# Allegro board 038NC-GRIFFI-V9A_16_20260429.brd (continued)
## Placement (name value [footprint] x y rotation side) (continued)
NOREF#1176  -  []  41.02 336.66 0 top
NOREF#1177  -  []  163.01 240.57 90 top
NOREF#1178  -  []  83.93 249.87 0 top
NOREF#1179  -  []  89.39 209.51 0 top
NOREF#1180  -  []  19.67 170.1 90 top
NOREF#1181  -  []  199.67 242.27 90 top
NOREF#1182  -  []  16.47 173.3 0 top
NOREF#1183  -  []  82.73 114.89 90 top
NOREF#1184  -  []  149.42 18.69 0 top
NOREF#1185  -  []  20.74 275.74 0 top
NOREF#1186  -  []  179.29 207.51 45 top
NOREF#1187  -  []  250.89 283.29 90 top
NOREF#1188  -  []  132.78 117.35 90 top
NOREF#1189  -  []  150.33 266.14 90 top
NOREF#1190  -  []  42.06 185.73 90 top
NOREF#1191  -  []  239.38 209.51 0 top
NOREF#1192  -  []  196.47 335.86 0 top
NOREF#1193  -  []  207.13 301.68 90 top
NOREF#1194  -  []  181.39 304.88 90 top
NOREF#1195  -  []  19.67 330.46 90 top
NOREF#1196  -  []  90.18 265.86 90 top
NOREF#1197  -  []  180.18 265.47 90 top
NOREF#1198  -  []  183.41 174.1 0 top
NOREF#1199  -  []  87.79 269.51 0 top
NOREF#1200  -  []  68.86 249.87 0 top
NOREF#1201  -  []  224.98 193.49 90 top
NOREF#1202  -  []  165.92 284.14 90 top
NOREF#1203  -  []  136.47 301.68 90 top
NOREF#1204  -  []  102.06 170.1 90 top
NOREF#1205  -  []  44.99 221.49 90 top
NOREF#1206  -  []  117.13 183.53 90 top
NOREF#1207  -  []  258.36 164.05 90 top
NOREF#1208  -  []  195.06 209.26 90 top
NOREF#1209  -  []  154.59 284.94 90 top
NOREF#1210  -  []  93.41 174.1 0 top
NOREF#1211  -  []  14.22 225.18 0 top
NOREF#1212  -  []  94.59 284.94 90 top
NOREF#1213  -  []  23.93 225.98 90 top
NOREF#1214  -  []  44.99 283.99 0 top
NOREF#1215  -  []  227.03 389.27 90 top
NOREF#1216  -  []  55.97 179.68 90 top
NOREF#1217  -  []  214.59 228.18 90 top
NOREF#1218  -  []  150.33 206.14 90 top
NOREF#1219  -  []  150.84 164.9 90 top
NOREF#1220  -  []  195.06 269.26 90 top
NOREF#1221  -  []  199.94 300.88 0 top
NOREF#1222  -  []  109.67 183.53 90 top
NOREF#1223  -  []  211.39 165.7 90 top
NOREF#1224  -  []  17.99 278.49 0 top
NOREF#1225  -  []  105.36 120.65 0 top
NOREF#1226  -  []  23.93 249.87 0 top
NOREF#1227  -  []  203.38 284.14 90 top
NOREF#1228  -  []  63.43 164.05 90 top
NOREF#1229  -  []  247.36 333.84 90 top
NOREF#1230  -  []  147.13 244.47 90 top
NOREF#1231  -  []  238.35 207.84 315 top
NOREF#1232  -  []  164.98 250.99 90 top
NOREF#1233  -  []  59.02 107.19 90 top
NOREF#1234  -  []  136.47 229.18 90 top
NOREF#1235  -  []  94.59 246.67 90 top
NOREF#1236  -  []  109.67 165.7 90 top
NOREF#1237  -  []  44.99 221.49 90 top
NOREF#1238  -  []  68.86 301.68 0 top
NOREF#1239  -  []  162.06 289.34 90 top
NOREF#1240  -  []  154.59 289.34 90 top
NOREF#1241  -  []  164.56 396.29 0 top
NOREF#1242  -  []  168.48 174.1 0 top
NOREF#1243  -  []  121.39 301.68 90 top
NOREF#1244  -  []  53.93 249.87 0 top
NOREF#1245  -  []  248.86 301.68 0 top
NOREF#1246  -  []  170.73 215.74 0 top
NOREF#1247  -  []  79.67 170.1 90 top
NOREF#1248  -  []  184.59 246.67 90 top
NOREF#1249  -  []  120.18 205.86 90 top
NOREF#1250  -  []  125.02 284.14 0 top
NOREF#1251  -  []  14.99 193.49 90 top
NOREF#1252  -  []  14.99 253.49 90 top
NOREF#1253  -  []  168.48 189.73 0 top
NOREF#1254  -  []  228.48 310.08 0 top
NOREF#1255  -  []  91.47 105.11 90 top
NOREF#1256  -  []  31.36 110.11 0 top
NOREF#1257  -  []  90.34 266.14 90 top
NOREF#1258  -  []  117.36 268.69 0 top
NOREF#1259  -  []  184.59 181.33 90 top
NOREF#1260  -  []  243.41 174.1 0 top
NOREF#1261  -  []  211.39 307.08 90 top
NOREF#1262  -  []  78.36 240.62 90 top
NOREF#1263  -  []  147.63 208.84 0 top
NOREF#1264  -  []  241.01 206.29 90 top
NOREF#1265  -  []  188.86 301.68 90 top
NOREF#1266  -  []  119.39 209.51 0 top
NOREF#1267  -  []  169.67 167.9 90 top
NOREF#1268  -  []  79.67 183.53 90 top
NOREF#1269  -  []  112.99 188.49 0 top
NOREF#1270  -  []  106.47 335.86 0 top
NOREF#1271  -  []  31.01 206.29 90 top
NOREF#1272  -  []  117.79 269.51 0 top
NOREF#1273  -  []  19.78 456.29 0 top
NOREF#1274  -  []  98.86 292.54 0 top
NOREF#1275  -  []  196.47 307.08 90 top
NOREF#1276  -  []  57.13 244.47 90 top
NOREF#1277  -  []  194.3 17.15 90 top
NOREF#1278  -  []  61.4 188.93 0 top
NOREF#1279  -  []  162.06 170.1 90 top
NOREF#1280  -  []  49.67 244.47 90 top
NOREF#1281  -  []  226.47 304.88 90 top
NOREF#1282  -  []  228.36 283.29 90 top
NOREF#1283  -  []  237.13 242.27 90 top
NOREF#1284  -  []  14.99 190.99 90 top
NOREF#1285  -  []  117.41 138.32 0 top
NOREF#1286  -  []  38.86 249.87 0 top
NOREF#1287  -  []  45.92 225.18 90 top
NOREF#1288  -  []  173.93 290.34 90 top
NOREF#1289  -  []  139.67 242.27 90 top
NOREF#1290  -  []  214.59 181.33 90 top
NOREF#1291  -  []  248.86 142.32 90 top
NOREF#1292  -  []  213.43 240.62 90 top
NOREF#1293  -  []  147.13 167.9 90 top
NOREF#1294  -  []  138.36 224.33 90 top
NOREF#1295  -  []  104.99 223.99 0 top
NOREF#1296  -  []  27.36 208.69 0 top
NOREF#1297  -  []  109.67 185.73 90 top
NOREF#1298  -  []  121.39 188.93 0 top
NOREF#1299  -  []  166.47 284.94 0 top
NOREF#1300  -  []  37.46 300.03 0 top
NOREF#1301  -  []  74.51 203.06 90 top
NOREF#1302  -  []  78.48 310.08 0 top
NOREF#1303  -  []  16.47 290.34 90 top
NOREF#1304  -  []  16.47 288.14 90 top
NOREF#1305  -  []  166.47 335.86 0 top
NOREF#1306  -  []  46.47 301.68 90 top
NOREF#1307  -  []  116.3 456.29 0 top
NOREF#1308  -  []  31.36 120.65 0 top
NOREF#1309  -  []  64.59 185.73 90 top
NOREF#1310  -  []  106.38 389.27 90 top
NOREF#1311  -  []  30.34 266.14 90 top
NOREF#1312  -  []  252.06 185.73 90 top
NOREF#1313  -  []  117.13 185.73 90 top
NOREF#1314  -  []  172.98 226.49 0 top
NOREF#1315  -  []  208.35 207.84 315 top
NOREF#1316  -  []  80.74 215.74 0 top
NOREF#1317  -  []  94.59 287.14 90 top
NOREF#1318  -  []  243.43 300.03 90 top
NOREF#1319  -  []  229.67 181.33 90 top
NOREF#1320  -  []  44.99 281.49 90 top
NOREF#1321  -  []  100.89 283.29 90 top
NOREF#1322  -  []  226.47 284.94 90 top
NOREF#1323  -  []  210.18 265.86 90 top
NOREF#1324  -  []  87.13 306.08 90 top
NOREF#1325  -  []  20.74 215.74 0 top
NOREF#1326  -  []  57.82 105.89 0 top
NOREF#1327  -  []  138.18 452.29 90 top
NOREF#1328  -  []  100.89 240.62 90 top
NOREF#1329  -  []  214.59 242.27 90 top
NOREF#1330  -  []  128.39 193.49 45 top
NOREF#1331  -  []  75.06 263.86 0 top
NOREF#1332  -  []  115.97 326.61 90 top
NOREF#1333  -  []  98.86 144.52 90 top
NOREF#1334  -  []  222.48 225.18 0 top
NOREF#1335  -  []  46.47 301.68 0 top
NOREF#1336  -  []  74.99 283.99 0 top
NOREF#1337  -  []  119.29 267.51 45 top
NOREF#1338  -  []  172.46 106.41 0 top
NOREF#1339  -  []  49.67 165.7 90 top
NOREF#1340  -  []  115.7 258.99 90 top
NOREF#1341  -  []  43.88 106.81 90 top
NOREF#1342  -  []  98.86 304.88 90 top
NOREF#1343  -  []  227.98 278.49 0 top
NOREF#1344  -  []  77.21 143.34 90 top
NOREF#1345  -  []  19.67 332.66 90 top
NOREF#1346  -  []  145.94 293.34 0 top
NOREF#1347  -  []  175.94 234.38 0 top
NOREF#1348  -  []  53.93 284.94 90 top
NOREF#1349  -  []  200.73 215.74 0 top
NOREF#1350  -  []  98.86 307.08 90 top
NOREF#1351  -  []  218.39 193.49 45 top
NOREF#1352  -  []  71.02 174.1 0 top
NOREF#1353  -  []  165.06 203.86 0 top
NOREF#1354  -  []  70.76 109.19 90 top
NOREF#1355  -  []  117.64 268.84 0 top
NOREF#1356  -  []  233.93 188.93 0 top
NOREF#1357  -  []  197.98 278.49 0 top
NOREF#1358  -  []  181.01 266.29 90 top
NOREF#1359  -  []  224.51 203.06 90 top
NOREF#1360  -  []  162.06 242.27 90 top
NOREF#1361  -  []  199.67 332.66 90 top
NOREF#1362  -  []  222.48 284.14 0 top
NOREF#1363  -  []  68.86 301.68 90 top
NOREF#1364  -  []  184.59 289.34 90 top
NOREF#1365  -  []  55.7 198.99 90 top
NOREF#1366  -  []  18.48 189.73 0 top
NOREF#1367  -  []  15.06 269.26 90 top
NOREF#1368  -  []  38.86 307.08 90 top
NOREF#1369  -  []  138.36 240.62 90 top
NOREF#1370  -  []  31.4 168.9 90 top
NOREF#1371  -  []  70.89 224.33 90 top
NOREF#1372  -  []  181.39 292.54 0 top
NOREF#1373  -  []  207.13 242.27 90 top
NOREF#1374  -  []  197.21 143.34 90 top
NOREF#1375  -  []  13.66 262.21 90 top
NOREF#1376  -  []  42.06 242.27 90 top
NOREF#1377  -  []  164.51 263.06 90 top
NOREF#1378  -  []  28.65 266.87 45 top
NOREF#1379  -  []  194.98 250.99 90 top
NOREF#1380  -  []  78.48 174.1 0 top
NOREF#1381  -  []  93.43 164.05 90 top
NOREF#1382  -  []  181.39 165.7 0 top
NOREF#1383  -  []  60.67 176.51 90 top
NOREF#1384  -  []  134.98 193.49 90 top
NOREF#1385  -  []  173.93 231.38 90 top
NOREF#1386  -  []  190.89 239.1 90 top
NOREF#1387  -  []  38.86 144.52 90 top
NOREF#1388  -  []  229.67 242.27 90 top
NOREF#1389  -  []  15.06 203.86 0 top
NOREF#1390  -  []  177.79 209.51 0 top
NOREF#1391  -  []  72.06 225.98 90 top
NOREF#1392  -  []  90.67 176.51 90 top
NOREF#1393  -  []  139.67 183.53 90 top
NOREF#1394  -  []  76.47 335.86 0 top
NOREF#1395  -  []  134.98 223.99 0 top
NOREF#1396  -  []  120.18 205.47 90 top
NOREF#1397  -  []  162.06 230.38 90 top
NOREF#1398  -  []  95.02 300.88 0 top
NOREF#1399  -  []  179.32 208.11 315 top
NOREF#1400  -  []  151.39 307.08 90 top
NOREF#1401  -  []  117.13 170.1 90 top
NOREF#1402  -  []  142.98 248.49 90 top
NOREF#1403  -  []  196.47 290.34 90 top
NOREF#1404  -  []  211.01 266.69 90 top
NOREF#1405  -  []  72.06 244.47 90 top
NOREF#1406  -  []  203.38 225.18 90 top
NOREF#1407  -  []  132.06 225.98 90 top
NOREF#1408  -  []  104.84 117.35 90 top
NOREF#1409  -  []  242.56 17.15 0 top
NOREF#1410  -  []  236.96 268.69 0 top
NOREF#1411  -  []  60.19 265.86 90 top
NOREF#1412  -  []  52.99 188.49 90 top
NOREF#1413  -  []  137.98 218.49 0 top
NOREF#1414  -  []  45.06 263.86 0 top
NOREF#1415  -  []  173.66 106.41 90 top
NOREF#1416  -  []  222.06 185.73 90 top
NOREF#1417  -  []  149.29 267.51 45 top
NOREF#1418  -  []  61.16 295.41 90 top
NOREF#1419  -  []  169.67 330.46 90 top
NOREF#1420  -  []  105.06 269.26 90 top
NOREF#1421  -  []  139.67 170.1 90 top
NOREF#1422  -  []  235.7 198.99 90 top
NOREF#1423  -  []  128.86 301.68 90 top
NOREF#1424  -  []  90.65 236.45 90 top
NOREF#1425  -  []  244.59 242.27 90 top
NOREF#1426  -  []  94.59 181.33 90 top
NOREF#1427  -  []  154.59 228.18 90 top
NOREF#1428  -  []  226.47 231.38 90 top
NOREF#1429  -  []  173.56 456.29 0 top
NOREF#1430  -  []  233.38 225.18 90 top
NOREF#1431  -  []  158.86 139.12 0 top
NOREF#1432  -  []  106.47 173.3 0 top
NOREF#1433  -  []  65.02 300.88 0 top
NOREF#1434  -  []  110.48 210.77 0 top
NOREF#1435  -  []  15.06 209.26 90 top
NOREF#1436  -  []  229.67 328.26 90 top
NOREF#1437  -  []  113.93 231.38 90 top
NOREF#1438  -  []  63.41 174.1 0 top
NOREF#1439  -  []  241.01 266.29 90 top
NOREF#1440  -  []  83.93 188.93 0 top
NOREF#1441  -  []  166.47 225.98 90 top
NOREF#1442  -  []  158.39 193.49 45 top
NOREF#1443  -  []  26.96 268.69 0 top
NOREF#1444  -  []  179.38 209.51 0 top
NOREF#1445  -  []  248.86 233.58 0 top
NOREF#1446  -  []  49.67 332.66 90 top
NOREF#1447  -  []  237.13 244.47 90 top
NOREF#1448  -  []  232.98 188.49 0 top
NOREF#1449  -  []  79.67 328.26 90 top
NOREF#1450  -  []  87.64 268.84 0 top
NOREF#1451  -  []  221.02 189.73 0 top
NOREF#1452  -  []  28.78 456.29 0 top
NOREF#1453  -  []  98.78 82.65 0 top
NOREF#1454  -  []  192.06 170.1 90 top
NOREF#1455  -  []  29.39 209.51 0 top
NOREF#1456  -  []  132.48 284.14 0 top
NOREF#1457  -  []  16.47 307.08 90 top
NOREF#1458  -  []  127.54 18.69 90 top
NOREF#1459  -  []  87.13 246.67 90 top
NOREF#1460  -  []  46.47 188.93 0 top
NOREF#1461  -  []  173.38 225.18 90 top
NOREF#1462  -  []  150.18 265.86 90 top
NOREF#1463  -  []  218.43 17.15 90 top
NOREF#1464  -  []  98.86 173.3 0 top
NOREF#1465  -  []  61.4 168.9 90 top
NOREF#1466  -  []  197.98 218.49 0 top
NOREF#1467  -  []  241.01 206.69 90 top
NOREF#1468  -  []  131.4 296.54 90 top
NOREF#1469  -  []  244.59 246.67 90 top
NOREF#1470  -  []  41.4 297.17 90 top
NOREF#1471  -  []  31.01 206.69 90 top
NOREF#1472  -  []  121.39 249.87 0 top
NOREF#1473  -  []  154.59 185.73 90 top
NOREF#1474  -  []  98.66 177.76 90 top
NOREF#1475  -  []  128.86 144.52 90 top
NOREF#1476  -  []  87.13 167.9 90 top
NOREF#1477  -  []  44.99 223.99 0 top
NOREF#1478  -  []  211.39 233.58 0 top
NOREF#1479  -  []  15.06 263.86 90 top
NOREF#1480  -  []  203.93 249.87 0 top
NOREF#1481  -  []  57.64 208.84 0 top
NOREF#1482  -  []  166.47 301.68 0 top
NOREF#1483  -  []  15.06 267.06 90 top
NOREF#1484  -  []  102.48 284.14 0 top
NOREF#1485  -  []  109.67 244.47 90 top
NOREF#1486  -  []  57.13 303.88 90 top
NOREF#1487  -  []  136.47 173.3 0 top
NOREF#1488  -  []  161.02 174.1 0 top
NOREF#1489  -  []  83.93 225.98 0 top
NOREF#1490  -  []  115.97 164.05 90 top
NOREF#1491  -  []  49.67 185.73 90 top
NOREF#1492  -  []  190.89 224.33 90 top
NOREF#1493  -  []  206.96 268.69 0 top
NOREF#1494  -  []  251.16 389.27 90 top
NOREF#1495  -  []  173.93 225.98 0 top
NOREF#1496  -  []  149.29 207.51 45 top
NOREF#1497  -  []  63.43 179.68 90 top
NOREF#1498  -  []  133.3 120.65 0 top
NOREF#1499  -  []  87.13 301.68 90 top
NOREF#1500  -  []  191.4 296.54 90 top
NOREF#1501  -  []  211.39 292.54 0 top
NOREF#1502  -  []  34.6 289.34 90 top
NOREF#1503  -  []  183.82 83.81 0 top
NOREF#1504  -  []  130.89 224.33 90 top
NOREF#1505  -  []  33.61 203.06 0 top
NOREF#1506  -  []  225.06 263.86 90 top
NOREF#1507  -  []  131.02 174.1 0 top
NOREF#1508  -  []  93.61 203.06 0 top
NOREF#1509  -  []  236.96 208.69 0 top
NOREF#1510  -  []  91.4 249.87 0 top
NOREF#1511  -  []  115.7 198.99 90 top
NOREF#1512  -  []  49.67 246.67 90 top
NOREF#1513  -  []  194.3 17.15 0 top
NOREF#1514  -  []  108.48 310.08 0 top
NOREF#1515  -  []  78.48 189.73 0 top
NOREF#1516  -  []  124.59 289.34 90 top
NOREF#1517  -  []  113.93 309.28 0 top
NOREF#1518  -  []  100.9 237.58 90 top
NOREF#1519  -  []  147.13 306.08 90 top
NOREF#1520  -  []  46.47 288.14 90 top
NOREF#1521  -  []  237.13 306.08 90 top
NOREF#1522  -  []  211.39 249.87 0 top
NOREF#1523  -  []  26.68 239.46 0 top
NOREF#1524  -  []  58.12 107.52 0 top
NOREF#1525  -  []  31.96 297.11 0 top
NOREF#1526  -  []  134.98 281.49 90 top
NOREF#1527  -  []  87.36 208.69 0 top
NOREF#1528  -  []  146.04 17.15 0 top
NOREF#1529  -  []  168.36 283.29 90 top
NOREF#1530  -  []  177.13 167.9 90 top
NOREF#1531  -  []  34.6 183.53 90 top
NOREF#1532  -  []  164.19 105.45 0 top
NOREF#1533  -  []  128.86 292.54 0 top
NOREF#1534  -  []  70.76 113.63 0 top
NOREF#1535  -  []  199.67 244.47 90 top
NOREF#1536  -  []  122.91 82.65 0 top
NOREF#1537  -  []  248.19 18.69 90 top
NOREF#1538  -  []  45.92 284.14 90 top
NOREF#1539  -  []  75.06 203.86 90 top
NOREF#1540  -  []  135.06 209.26 90 top
NOREF#1541  -  []  175.64 103.13 90 top
NOREF#1542  -  []  44.51 203.06 90 top
NOREF#1543  -  []  68.86 139.12 90 top
NOREF#1544  -  []  28.35 267.84 45 top
NOREF#1545  -  []  101.02 174.1 0 top
NOREF#1546  -  []  190.78 112.83 90 top
NOREF#1547  -  []  124.59 287.14 90 top
NOREF#1548  -  []  199.67 246.67 90 top
NOREF#1549  -  []  143.93 229.18 90 top
NOREF#1550  -  []  128.86 139.12 0 top
NOREF#1551  -  []  108.48 189.73 0 top
NOREF#1552  -  []  53.93 290.34 90 top
NOREF#1553  -  []  199.94 454.29 90 top
NOREF#1554  -  []  146.04 17.15 90 top
NOREF#1555  -  []  183.41 189.73 0 top
NOREF#1556  -  []  120.18 265.86 90 top
NOREF#1557  -  []  252.06 183.53 90 top
NOREF#1558  -  []  61.4 301.68 90 top
NOREF#1559  -  []  121.39 168.9 90 top
NOREF#1560  -  []  30 294.19 0 top
NOREF#1561  -  []  72.06 183.53 90 top
NOREF#1562  -  []  68.86 292.54 0 top
NOREF#1563  -  []  188.31 300.88 90 top
NOREF#1564  -  []  233.93 290.34 90 top
NOREF#1565  -  []  99.47 115.65 0 top
NOREF#1566  -  []  91.01 266.69 90 top
NOREF#1567  -  []  44.51 263.06 90 top
NOREF#1568  -  []  42.06 165.7 90 top
NOREF#1569  -  []  94.59 228.18 90 top
NOREF#1570  -  []  42.48 225.18 0 top
NOREF#1571  -  []  211.01 206.69 90 top
NOREF#1572  -  []  158.86 307.08 90 top
NOREF#1573  -  []  11.02 189.73 0 top
NOREF#1574  -  []  107.99 256.49 90 top
NOREF#1575  -  []  83.93 284.94 0 top
NOREF#1576  -  []  145.97 164.05 90 top
NOREF#1577  -  []  251.4 296.54 90 top
NOREF#1578  -  []  207.13 306.08 90 top
NOREF#1579  -  []  235.97 179.68 90 top
NOREF#1580  -  []  169.67 246.67 90 top
NOREF#1581  -  []  185.02 225.18 0 top
NOREF#1582  -  []  63.18 16.49 0 top
NOREF#1583  -  []  105.92 225.18 90 top
NOREF#1584  -  []  27.13 165.7 90 top
NOREF#1585  -  []  176.96 268.69 0 top
NOREF#1586  -  []  153.41 293.34 0 top
NOREF#1587  -  []  26.39 82.65 0 top
NOREF#1588  -  []  241.39 188.93 0 top
NOREF#1589  -  []  203.93 309.28 0 top
NOREF#1590  -  []  102.06 244.47 90 top
NOREF#1591  -  []  166.47 188.93 0 top
NOREF#1592  -  []  61.01 206.29 90 top
NOREF#1593  -  []  199.67 328.26 90 top
NOREF#1594  -  []  79.67 181.33 90 top
NOREF#1595  -  []  71.82 117.35 0 top
NOREF#1596  -  []  208.37 207.15 315 top
NOREF#1597  -  []  177.13 242.27 90 top
NOREF#1598  -  []  34.6 230.38 90 top
NOREF#1599  -  []  243.41 293.34 0 top
NOREF#1600  -  []  89.29 207.51 45 top
NOREF#1601  -  []  87.3 16.49 0 top
NOREF#1602  -  []  128.86 188.93 0 top
NOREF#1603  -  []  101.02 336.66 0 top
NOREF#1604  -  []  192.06 185.73 90 top
NOREF#1605  -  []  57.13 167.9 90 top
NOREF#1606  -  []  34.6 228.18 90 top
NOREF#1607  -  []  188.66 177.76 90 top
NOREF#1608  -  []  22.99 188.49 0 top
NOREF#1609  -  []  218.31 138.32 90 top
NOREF#1610  -  []  235.94 250.67 0 top
NOREF#1611  -  []  30 300.03 90 top
NOREF#1612  -  []  61.4 165.7 90 top
NOREF#1613  -  []  222.06 289.34 90 top
NOREF#1614  -  []  87.64 208.84 0 top
NOREF#1615  -  []  244.59 284.94 90 top
NOREF#1616  -  []  34.6 181.33 90 top
NOREF#1617  -  []  143.93 249.87 0 top
NOREF#1618  -  []  59.02 106.54 90 top
NOREF#1619  -  []  212.82 456.29 0 top
NOREF#1620  -  []  118.37 207.15 315 top
NOREF#1621  -  []  236.95 456.29 90 top
NOREF#1622  -  []  113.93 288.14 90 top
NOREF#1623  -  []  148.35 207.84 45 top
NOREF#1624  -  []  30.51 105.11 90 top
NOREF#1625  -  []  127.55 203.78 0 top
NOREF#1626  -  []  173.38 284.14 90 top
NOREF#1627  -  []  177.13 303.88 90 top
NOREF#1628  -  []  191.02 174.1 0 top
NOREF#1629  -  []  238.35 267.84 315 top
NOREF#1630  -  []  252.06 225.98 90 top
NOREF#1631  -  []  195.06 263.86 0 top
NOREF#1632  -  []  81.68 112.1 0 top
NOREF#1633  -  []  53.93 284.94 0 top
NOREF#1634  -  []  237.13 183.53 90 top
NOREF#1635  -  []  59.39 269.51 0 top
NOREF#1636  -  []  47.99 278.49 0 top
NOREF#1637  -  []  21.07 240.62 90 top
NOREF#1638  -  []  93.41 234.38 0 top
NOREF#1639  -  []  72.06 228.18 90 top
NOREF#1640  -  []  106.47 290.34 90 top
NOREF#1641  -  []  43.88 117.35 0 top
NOREF#1642  -  []  128.31 300.88 90 top
NOREF#1643  -  []  87.13 185.73 90 top
NOREF#1644  -  []  196.47 284.94 90 top
NOREF#1645  -  []  179.38 269.51 0 top
NOREF#1646  -  []  210.33 266.14 90 top
NOREF#1647  -  []  136.47 249.87 0 top
NOREF#1648  -  []  83.93 225.98 90 top
NOREF#1649  -  []  188.86 144.52 90 top
NOREF#1650  -  []  120.34 266.14 90 top
NOREF#1651  -  []  85.73 116.29 90 top
NOREF#1652  -  []  58.45 115.65 90 top
NOREF#1653  -  []  161.4 296.54 90 top
NOREF#1654  -  []  19.67 242.27 90 top
NOREF#1655  -  []  109.67 328.26 90 top
NOREF#1656  -  []  184.59 244.47 90 top
NOREF#1657  -  []  154.59 242.27 90 top
NOREF#1658  -  []  15.06 207.06 90 top
NOREF#1659  -  []  248.86 173.3 0 top
NOREF#1660  -  []  91.4 301.68 0 top
NOREF#1661  -  []  238.35 207.84 45 top
NOREF#1662  -  []  43.88 106.81 0 top
NOREF#1663  -  []  104.51 203.06 90 top
NOREF#1664  -  []  55.95 234.38 0 top
NOREF#1665  -  []  14.99 221.49 90 top
NOREF#1666  -  []  98.31 300.88 90 top
NOREF#1667  -  []  113.93 225.98 0 top
NOREF#1668  -  []  109.67 242.27 90 top
NOREF#1669  -  []  169.67 332.66 90 top
NOREF#1670  -  []  252.06 165.7 90 top
NOREF#1671  -  []  159.71 458.49 0 top
NOREF#1672  -  []  31.4 233.58 0 top
NOREF#1673  -  []  116.3 396.29 0 top
NOREF#1674  -  []  258.36 224.33 90 top
NOREF#1675  -  []  29.29 207.51 45 top
NOREF#1676  -  []  190.89 240.62 90 top
NOREF#1677  -  []  181.39 301.68 90 top
NOREF#1678  -  []  180.67 176.51 90 top
NOREF#1679  -  []  55.97 326.61 90 top
NOREF#1680  -  []  207.63 268.84 0 top
NOREF#1681  -  []  14.22 225.18 90 top
NOREF#1682  -  []  107.99 218.49 0 top
NOREF#1683  -  []  178.65 266.87 45 top
NOREF#1684  -  []  117.64 208.84 0 top
NOREF#1685  -  []  147.13 185.73 90 top
NOREF#1686  -  []  27.13 185.73 90 top
NOREF#1687  -  []  155.02 284.14 0 top
NOREF#1688  -  []  138.48 250.67 0 top
NOREF#1689  -  []  14.99 250.99 90 top
NOREF#1690  -  []  71.4 296.54 90 top
NOREF#1691  -  []  131.02 336.66 0 top
NOREF#1692  -  []  88.35 267.84 45 top
NOREF#1693  -  []  164.98 223.99 0 top
NOREF#1694  -  []  27.36 268.69 0 top
NOREF#1695  -  []  178.65 206.87 45 top
NOREF#1696  -  []  93.43 300.03 90 top
NOREF#1697  -  []  205.7 258.99 90 top
NOREF#1698  -  []  137.98 278.49 0 top
NOREF#1699  -  []  198.36 224.33 90 top
NOREF#1700  -  []  112.99 248.49 0 top
NOREF#1701  -  []  55.97 240.62 90 top
NOREF#1702  -  []  31.4 188.93 0 top
NOREF#1703  -  []  205.94 189.73 0 top
NOREF#1704  -  []  45.06 269.26 90 top
NOREF#1705  -  []  115.94 250.67 0 top
NOREF#1706  -  []  23.93 288.14 90 top
NOREF#1707  -  []  106.47 225.98 0 top
NOREF#1708  -  []  145.06 392.33 90 top
NOREF#1709  -  []  192.48 284.14 0 top
NOREF#1710  -  []  31.4 165.7 0 top
NOREF#1711  -  []  30.34 206.14 90 top
NOREF#1712  -  []  176.96 208.69 0 top
NOREF#1713  -  []  183.61 203.06 0 top
NOREF#1714  -  []  27.64 208.84 0 top
NOREF#1715  -  []  248.86 304.88 90 top
NOREF#1716  -  []  94.59 225.98 90 top
NOREF#1717  -  []  222.06 284.94 90 top
NOREF#1718  -  []  87.13 242.27 90 top
NOREF#1719  -  []  162.48 225.18 0 top
NOREF#1720  -  []  63.41 234.38 0 top
NOREF#1721  -  []  252.06 246.67 90 top
NOREF#1722  -  []  181.39 233.58 0 top
NOREF#1723  -  []  150.65 236.45 90 top
NOREF#1724  -  []  92.32 120.65 0 top
NOREF#1725  -  []  235.97 164.05 90 top
NOREF#1726  -  []  67.24 259.24 90 top
NOREF#1727  -  []  128.31 138.32 90 top
NOREF#1728  -  []  117.13 165.7 90 top
NOREF#1729  -  []  70.89 283.29 90 top
NOREF#1730  -  []  226.47 307.08 90 top
NOREF#1731  -  []  53.93 188.93 0 top
NOREF#1732  -  []  162.06 287.14 90 top
NOREF#1733  -  []  108.48 250.67 0 top
NOREF#1734  -  []  83.93 309.28 0 top
NOREF#1735  -  []  49.67 181.33 90 top
NOREF#1736  -  []  19.67 328.26 90 top
NOREF#1737  -  []  26.96 208.69 0 top
NOREF#1738  -  []  237.78 209.51 0 top
NOREF#1739  -  []  209.38 269.51 0 top
NOREF#1740  -  []  241.58 392.33 90 top
NOREF#1741  -  []  164.98 221.49 90 top
NOREF#1742  -  []  218.86 301.68 0 top
NOREF#1743  -  []  55.15 18.69 90 top
NOREF#1744  -  []  214.59 246.67 90 top
NOREF#1745  -  []  207.13 165.7 90 top
NOREF#1746  -  []  241.39 301.68 90 top
NOREF#1747  -  []  98.86 139.12 0 top
NOREF#1748  -  []  16.47 249.87 0 top
NOREF#1749  -  []  146.03 119.76 0 top
NOREF#1750  -  []  57.13 170.1 90 top
NOREF#1751  -  []  147.13 246.67 90 top
NOREF#1752  -  []  29.32 268.11 315 top
NOREF#1753  -  []  192.06 289.34 90 top
NOREF#1754  -  []  118.35 207.84 45 top
NOREF#1755  -  []  244.59 183.53 90 top
NOREF#1756  -  []  158.86 301.68 0 top
NOREF#1757  -  []  77.99 196.49 90 top
NOREF#1758  -  []  103.41 18.69 90 top
NOREF#1759  -  []  87.13 170.1 90 top
NOREF#1760  -  []  193.32 392.33 90 top
NOREF#1761  -  []  226.47 288.14 90 top
NOREF#1762  -  []  175.94 293.34 0 top
NOREF#1763  -  []  192.48 225.18 0 top
NOREF#1764  -  []  151.39 304.88 90 top
NOREF#1765  -  []  44.99 190.99 90 top
NOREF#1766  -  []  218.86 307.08 90 top
NOREF#1767  -  []  214.59 230.38 90 top
NOREF#1768  -  []  121.39 304.88 90 top
NOREF#1769  -  []  14.99 281.49 90 top
NOREF#1770  -  []  93.41 293.34 0 top
NOREF#1771  -  []  104.99 281.49 90 top
NOREF#1772  -  []  59.02 105.89 90 top
NOREF#1773  -  []  154.59 287.14 90 top
NOREF#1774  -  []  233.93 284.94 90 top
NOREF#1775  -  []  241.39 249.87 0 top
NOREF#1776  -  []  128.86 301.68 0 top
NOREF#1777  -  []  34.6 242.27 90 top
NOREF#1778  -  []  117.13 306.08 90 top
NOREF#1779  -  []  90.18 205.86 90 top
NOREF#1780  -  []  27.79 269.51 0 top
NOREF#1781  -  []  180.18 265.86 90 top
NOREF#1782  -  []  74.99 221.49 90 top
NOREF#1783  -  []  207.13 181.33 90 top
NOREF#1784  -  []  106.47 307.08 90 top
NOREF#1785  -  []  88.65 266.87 45 top
NOREF#1786  -  []  101.02 250.67 0 top
NOREF#1787  -  []  27.79 209.51 0 top
NOREF#1788  -  []  175.7 198.99 90 top
NOREF#1789  -  []  213.61 203.06 0 top
NOREF#1790  -  []  49.95 300.88 0 top
NOREF#1791  -  []  83.93 231.38 90 top
NOREF#1792  -  []  222.06 228.18 90 top
NOREF#1793  -  []  60.19 265.47 90 top
NOREF#1794  -  []  220.89 239.1 90 top
NOREF#1795  -  []  33.61 263.06 0 top
NOREF#1796  -  []  132.78 117.35 0 top
NOREF#1797  -  []  94.22 105.11 0 top
NOREF#1798  -  []  199.93 18.69 90 top
NOREF#1799  -  []  127.36 333.84 90 top
NOREF#1800  -  []  21.68 225.18 90 top
NOREF#1801  -  []  16.47 229.18 90 top
NOREF#1802  -  []  87.32 457.2 0 top
NOREF#1803  -  []  43.46 283.29 90 top
NOREF#1804  -  []  79.67 332.66 90 top
NOREF#1805  -  []  15.07 300.03 90 top
NOREF#1806  -  []  38.86 233.58 0 top
NOREF#1807  -  []  120.84 300.88 90 top
NOREF#1808  -  []  165.06 263.86 90 top
NOREF#1809  -  []  73.65 17.15 90 top
NOREF#1810  -  []  90.34 206.14 90 top
NOREF#1811  -  []  215.02 225.18 0 top
NOREF#1812  -  []  19.78 456.29 90 top